# Allegro board 1119394-C028P02-36-DE2-C01_pcb.brd (continued)
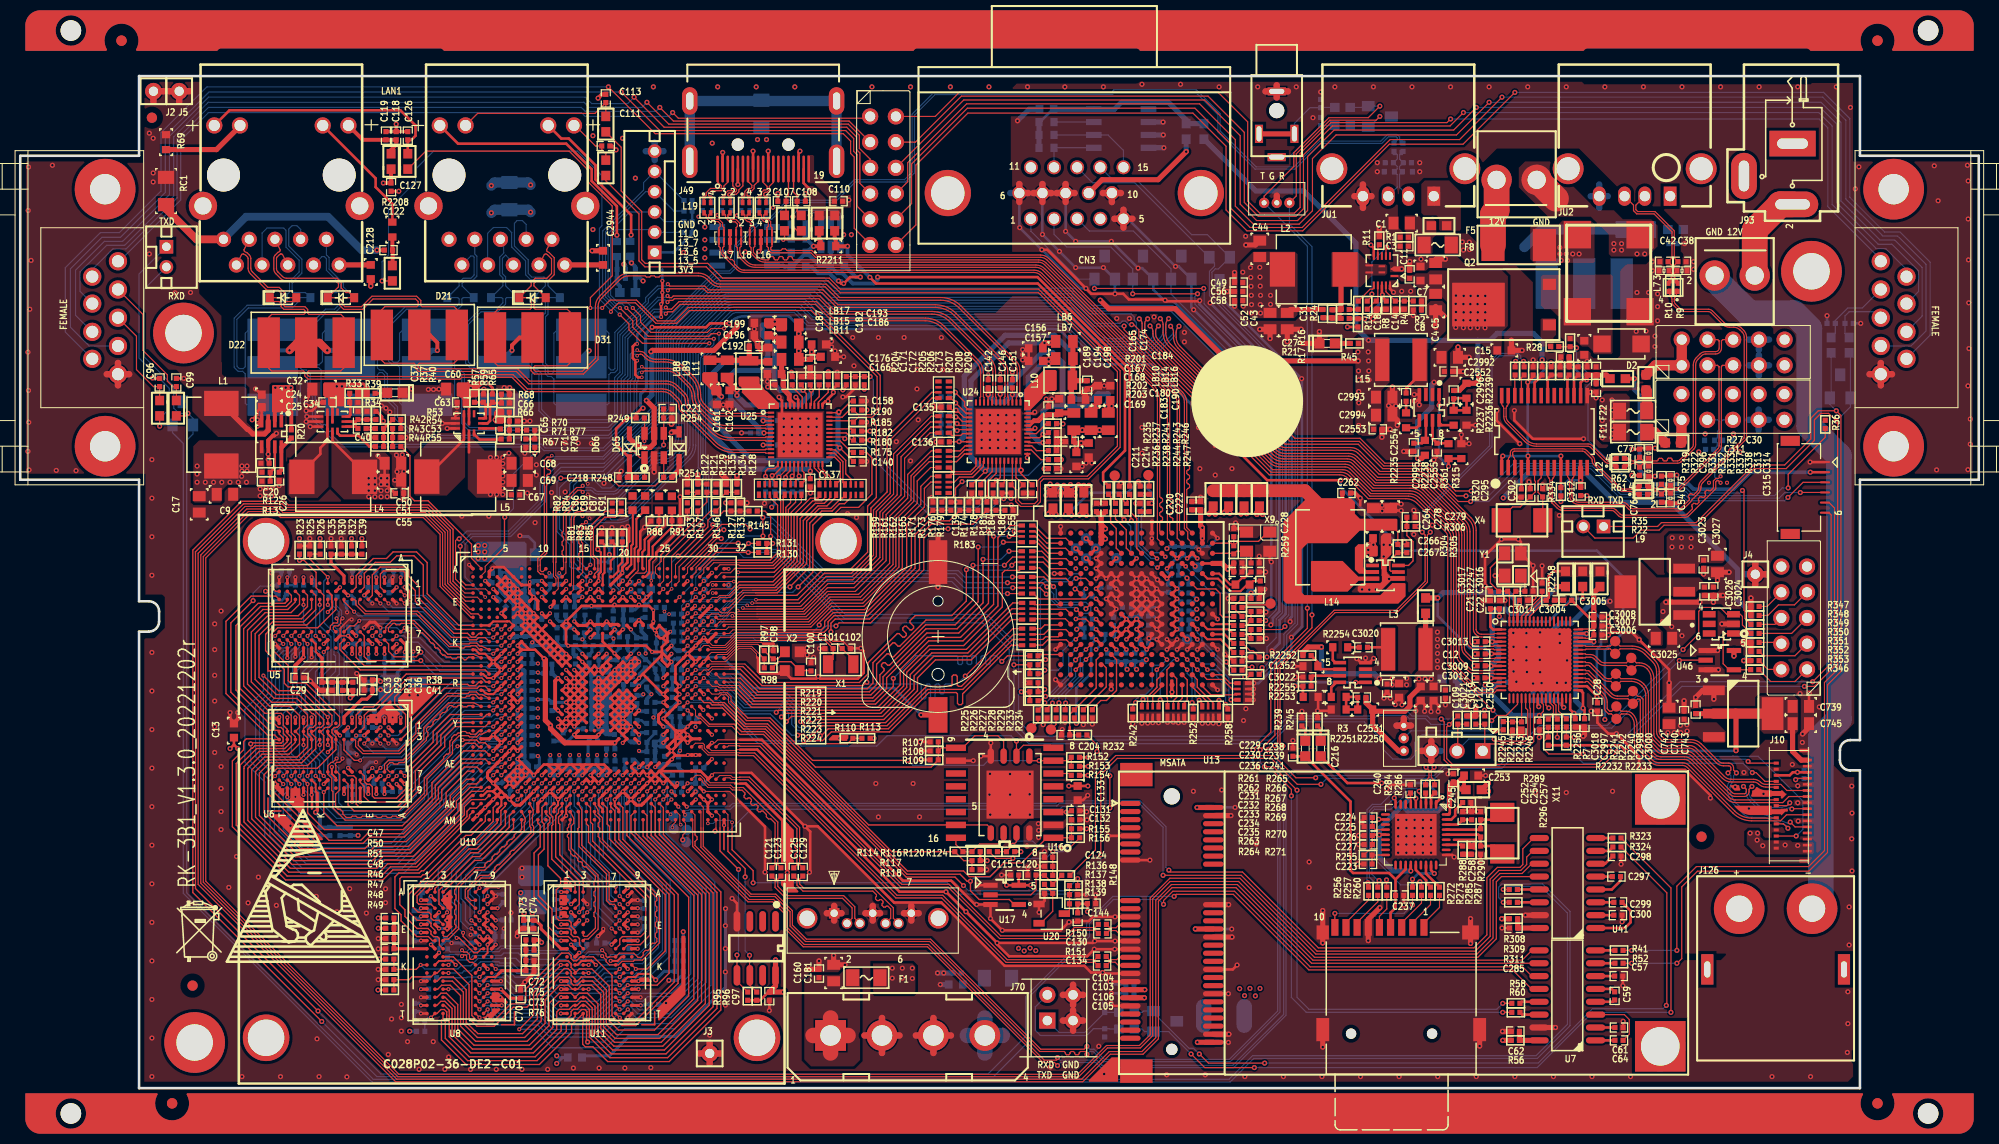
[diagram p0: board, top side]
## Copper pours and planes (outline as drawn; the poured copper is in the pictures) (continued)
GND on TOP (solid shape): 169.42,27.9 172.99,27.9 172.99,27.56 173.9,27.56 173.9,27.6 174.57,27.6 174.57,27.56 174.58,27.51 174.59,27.46 174.58,27.37 174.5,27.33 174.33,27.33 173.99,26.98 173.93,26.97 173.9,27.01 173.9,27.07 172.99,27.07 172.99,26.99 171.02,26.99 170.23,27.15 169.57,27.6 169.31,27.85 169.36,27.91
GND on TOP (solid shape): 36.49,38.3 36.6,38.32 36.66,38.22 36.66,37.87 37.47,37.06 37.5,36.97 37.44,36.9 37.4,36.87 37.36,36.84 37.27,36.75 37.27,36.17 37.24,36.07 36.31,36.07 36.28,36.17 36.28,36.61 36.1,36.9 35.76,36.84 35.67,36.75 35.67,36.17 35.64,36.07 34.29,36.07 34.29,36.71 34.56,36.97 35.17,36.97
GND on TOP (solid shape): 70.96,30.17 71.06,30.16 71.09,30.16 71.77,30.16 76.4,25.52 76.4,24.36 76.28,24.24 76.22,24.14 76.19,24.02 76.19,23.78 76.22,23.66 76.28,23.56 76.4,23.44 76.19,23.24 76.19,22.73 76.4,22.52 76.4,22.23 75.95,22.23 75.95,20.5 76.4,20.5 76.4,19.93 76.83,19.51 76.85,19.4 76.76,19.34 75.87,19.34 75.13,20.07 75.13,20.5 75.59,20.5 75.59,22.23 75.13,22.23 75.13,26.42 71.54,30.02 71.09,30.02 71.06,30.02 70.95,30.01 70.92,29.99 70.55,29.99 70.52,30.01 70.5,30.12 70.6,30.19 70.94,30.19
GND on TOP (solid shape): 171.49,29.75 171.59,29.74 171.98,29.51 172.43,29.44 172.99,29.44 172.99,29.36 173.9,29.36 173.98,29.43 174.07,29.4 174.37,29.1 174.41,29.1 174.46,29.07 174.45,29.02 174.07,28.64 173.96,28.62 173.9,28.71 173.9,28.87 172.99,28.87 172.99,28.79 171.07,28.79 170.98,28.84 170.98,28.94 171.04,29.13 171.07,29.33 171.07,29.4 171.07,29.4 171.29,29.49 171.43,29.69
GND on TOP (solid shape): 42.42,19.59 42.53,19.61 42.59,19.51 42.59,19.07 42.72,18.94 42.72,18.83 42.59,18.7 42.59,18.07 42.72,17.94 42.72,17.83 42.59,17.7 42.59,17.08 42.72,16.95 42.72,16.84 42.59,16.71 42.59,16.08 42.72,15.96 42.23,15.48 42.14,15.45 42.07,15.51 41.96,15.64 41.8,15.71 41.76,15.71 41.76,15.84 41.8,15.85 42.09,16.11 41.92,16.47 41.88,16.52 41.85,16.6 41.9,16.68 42.04,16.8 42.09,16.98 42.09,17 42.17,17.08 42.19,17.08 42.46,17.38 42.19,17.68 42.12,17.71 42.09,17.78 42.05,17.94 41.93,18.06 41.92,18.07 41.76,18.23 41.76,19.04 41.8,19.05 41.94,19.1 42.05,19.21 42.05,19.22
GND on BOTTOM (solid shape): 40.22,40.59 40.22,38.69 39.97,38.44 38.57,38.44 38.31,38.69 38.31,40.59 38.44,40.72 40.09,40.72
GND on BOTTOM (solid shape): 51.71,21.74 51.71,20.22 51.46,19.96 49.47,19.96 49.17,20.26 49.17,21.72 49.45,22 51.46,22
GND on BOTTOM (solid shape): 60.35,39.14 60.35,37.62 60.53,37.44 60.53,37.01 60.43,36.91 60.43,35.94 60.53,35.84 60.53,35.59 60.43,35.48 58.78,35.48 58.42,35.84 58.42,35.97 59.97,35.97 59.97,36.22 59.59,36.22 59.59,35.97 58.95,35.97 58.95,36.22 58.57,36.22 58.57,35.97 58.42,35.97 58.42,36.47 59.97,36.47 59.97,36.73 59.59,36.73 59.59,36.47 58.95,36.47 58.95,36.73 58.57,36.73 58.57,36.47 58.42,36.47 58.42,37.11 58.95,37.64 58.95,39.14 59.21,39.4 60.1,39.4
GND on TOP: 36.2,5.49 36.27,5.31 36.45,5.23 37.72,5.23 37.9,5.31 37.97,5.49 37.97,8.36 37.9,8.54 37.72,8.61 36.45,8.61 36.27,8.54 36.2,8.36
GND on TOP: 81.97,88.27 81.08,88.27 80.95,88.14 80.95,87.25 81.2,87 81.97,87 82.09,87.12 82.09,88.14
GND on BOTTOM: 164.77,83.95 163.5,83.95 163.37,83.82 163.37,82.8 163.5,82.68 164.77,82.68 164.9,82.8 164.9,83.82
GND on GND02: 12.24,0.51 12.24,44.6 12.7,44.6 13.78,45.05 14.22,46.13 14.22,47.09 13.78,48.17 12.7,48.62 12.24,48.62 12.24,60.63 0.51,60.63 0.51,91.62 12.24,91.62 12.24,99.49 181.2,99.49 181.2,91.62 192.94,91.62 192.94,60.63 181.2,60.63 181.2,34.9 180.75,34.9 179.67,34.45 179.22,33.38 179.22,32.41 179.67,31.33 180.75,30.89 181.2,30.89 181.2,0.51
PGND on TOP: 151.05,91.57 148.64,91.57 148.01,90.93 148.01,89.03 150.93,86.11 155.12,86.11 156.9,84.33 156.9,82.42 157.15,82.17 160.71,82.17 161.72,83.19 161.72,85.22 161.09,85.85 158.29,85.85 157.4,86.74 155.75,86.74 151.18,91.31 151.18,91.44
PGND on BOTTOM: 164.52,81.92 161.34,81.92 160.58,82.68 159.82,82.68 158.8,83.69 157.15,83.69 157.02,83.57 157.02,77.09 157.28,76.84 169.09,76.84 169.34,77.09 169.34,82.3 171.88,84.84 171.88,87.88 174.17,90.17 176.58,90.17 177.6,91.19 177.6,94.23 177.22,94.62 170.1,94.62 167.94,92.46 167.94,88.39 166.36,86.8 166.36,83.76
PGND on GND02: 151.18,91.44 148.89,91.44 148.01,90.55 148.01,89.41 155.37,82.04 160.58,82.04 160.83,82.3 160.83,82.55 158.04,85.34 156.01,85.34 151.82,89.54 151.82,90.81
VCC33 on TOP: 177.01,23.09 171.5,23.09 170.54,24.05 170.54,25.27 170.74,25.48 171.65,25.48 171.88,25.25 171.88,24.84 172.24,24.49 174.85,24.49 175.03,24.31 176.91,24.31 176.94,24.33 176.99,24.33 177.14,24.18 177.14,23.22
VCC33 on TOP: 168.12,51.87 166.04,51.87 165.66,51.49 165.66,50.93 165.53,50.8 162.86,50.8 162.61,51.05 162.61,54.46 162.94,54.79 167.82,54.79 168.5,54.1 168.5,52.25
VCC33 on TOP: 166.32,34.11 165.66,34.77 162.51,34.77 162.15,35.13 162.15,36.47 162.41,36.73 164.67,36.73 165.25,36.14 167.56,36.14 168.45,35.26 168.45,34.26 168.3,34.11
VCC33 on TOP: 138.07,41.27 138.07,45.49 138.2,45.62 140.59,45.62 140.87,45.34 140.87,39.9 141.07,39.7 141.07,39.12 141,39.04 138.05,39.04 137.74,39.34 137.74,40.94
VCC33 on BOTTOM: 140.94,39.9 140.94,41.53 140.64,41.83 138.56,41.83 137.85,41.12 137.85,40.08 138.1,39.83 140.87,39.83
VCC33 on PWR03: 175.21,20.47 160.88,34.8 138.63,34.8 137.54,35.89 137.54,47.62 145.14,55.22 168.05,55.22 170.13,53.14 170.13,43 178.66,34.47 178.66,22.58 176.56,20.47
VCC_5V_SATA1 on BOTTOM: 93.29,2.41 92.63,3.07 92.63,11.81 93.01,12.19 95.81,12.19 96.01,11.99 96.01,9.5 97.76,7.75 97.76,4.62 95.55,2.41
VCC_12V_SATA1 on TOP: 82.96,11.71 82.96,2.79 82.32,2.16 78.11,2.16 77.44,2.82 77.44,10.54 78.11,11.2 80.87,11.2 81.48,11.81 82.85,11.81
VDD on TOP: 152.02,50.5 156.67,50.5 156.95,50.22 156.95,49.1 157.02,49.02 157.02,48.64 156.64,48.26 156.64,47.7 157.35,46.99 157.35,46.02 158.17,45.21 159.94,45.21 160.83,44.32 160.83,43.81 160.96,43.69 162.1,43.69 162.23,43.81 162.23,45.09 161.52,45.8 161.52,48.08 162.08,48.64 163.25,48.64 163.37,48.51 165.4,48.51 165.53,48.64 165.53,49.02 165.73,49.23 167.49,49.23 167.56,49.3 167.56,49.76 167.28,50.04 166.27,50.04 165.84,50.47 161.62,50.47 159.94,52.15 152.04,52.15 151.71,51.82 151.71,50.8
(no net) on TOP: 127.56,52.1 130.61,52.1 132.16,50.55 134.21,50.55 134.24,50.52 134.24,50.16 134.21,50.14 132.18,50.14 131.11,49.07 127.64,49.07 127.48,49.23 127.48,52.02
(no net) on TOP: 132.94,51.18 134.19,51.18 134.21,51.16 134.21,50.85 134.19,50.83 132.18,50.83 131.83,51.18 131.83,53.42 132.16,53.75 133.86,53.75 134.09,53.52 134.09,52.63 133.98,52.53 132.89,52.53 132.66,52.3 132.66,51.46
(no net) on TOP: 127.08,58.29 131.42,58.29 131.83,57.89 131.83,56.74 132.31,56.26 135.94,56.26 136.02,56.18 136.02,55.14 135.97,55.09 132.31,55.09 131.06,53.85 127.15,53.85 126.57,53.26 126.57,48.97 126.82,48.72 134.34,48.72 135.51,49.89 136.78,49.89 136.83,49.83 136.83,48.51 136.19,47.88 125.07,47.88 124.76,48.18 124.76,55.98
(no net) on TOP: 74.93,67.13 74.93,67.69 73.02,69.6 73.02,70.18 72.9,70.31 71.07,70.31 70.94,70.18 70.94,69.06 72.9,67.11 74.9,67.11
(no net) on TOP: 12.27,95.08 14.1,95.89 12.27,96.69 12.27,99.26 12.45,99.44 17.68,99.44 17.68,78.51 19.86,76.33 19.86,71.76 19.93,71.69 19.93,70.55 20.24,70.23 29.39,70.23 29.64,69.98 29.64,68.45 30.02,68.07 30.15,68.07 31.42,69.34 32.44,69.34 32.44,68.45 32.82,68.07 33.71,68.07 33.83,67.95 37.13,67.95 37.26,68.07 37.26,69.34 37.39,69.47 41.33,69.47 41.58,69.72 42.6,69.72 42.98,69.34 46.41,69.34 46.53,69.47 48.44,69.47 50.09,67.82 64.69,67.82 64.82,67.69 68,67.69 68.5,68.2 71.17,68.2 71.93,68.96 72.95,68.96 73.2,69.22 73.2,72.64 71.93,73.91 71.93,76.33 72.19,76.58 77.77,76.58 79.43,74.93 82.6,74.93 84.25,76.58 96.32,76.58 97.97,78.23 97.97,90.68 97.84,90.81 97.84,98.68 98.6,99.44 154.23,99.44 154.48,99.19 176.83,99.19 176.96,99.31 181.03,99.31 181.03,91.57 192.84,91.57 192.84,60.71 181.15,60.71 181.15,36.07 179.12,34.04 179.12,31.88 180.26,30.73 181.15,30.73 181.15,3.94 180.9,3.68 180.9,2.54 180.91,2.54 181.04,2.41 181.04,1.16 180.52,0.63 12.24,0.63 12.24,44.32 12.37,44.45 13.26,44.45 14.27,45.47 14.27,48.51 14.02,48.77 12.37,48.77 12.37,60.71 0.56,60.71 0.56,91.57 8.05,91.57 8.18,91.44 12.27,91.44 ; 106 cut-outs
(no net) on TOP: 132.31,48.95 132.11,49.15 132.11,49.5 132.49,49.89 134.26,49.89 134.39,50.01 134.39,54.53 134.67,54.81 135.33,54.81 135.41,54.74 135.41,52.68 135.38,52.68 135.03,52.32 135.03,50.88 135.31,50.6 136.73,50.6 136.78,50.55 136.78,50.16 136.75,50.14 135.38,50.14 134.19,48.95
(no net) on TOP: 99.19,66.98 99.75,66.98 101.65,68.88 102.23,68.88 102.36,69.01 102.36,70.84 102.23,70.97 101.12,70.97 99.16,69.01 99.16,67.01
(no net) on BOTTOM: 12.37,95 14.1,95.89 12.37,96.77 12.37,99.31 17.68,99.31 17.68,79.6 20.12,77.17 20.12,66.04 20.5,65.66 28.63,65.66 28.63,65.53 31.29,62.87 50.72,62.87 51.1,62.48 51.1,61.34 52.25,60.2 51.87,59.82 51.87,57.78 52.76,56.9 60.76,56.9 65.84,61.98 65.84,67.18 70.41,71.76 70.41,78.23 79.68,78.23 81.46,76.45 87.93,76.45 88.06,76.58 103.81,76.58 106.73,73.66 110.03,73.66 110.41,74.04 110.41,76.71 109.65,77.47 105.84,77.47 104.44,78.87 82.22,78.87 81.46,79.63 83.36,79.63 83.74,80.01 83.74,83.06 82.98,83.82 79.93,83.82 79.68,84.07 79.68,86.23 79.81,86.36 80.31,86.36 80.44,86.23 80.44,84.84 80.7,84.58 81.46,84.58 81.97,85.09 81.97,87 81.46,87.5 75.36,87.5 73.08,85.22 73.08,80.39 73.71,79.76 70.03,79.76 69.01,80.77 60.25,80.77 59.74,81.28 59.74,81.79 59.49,82.04 56.18,82.04 56.18,99.44 181.15,99.44 181.15,91.57 192.84,91.57 192.84,66.93 192.71,66.8 183.31,66.8 181.53,65.02 181.53,61.09 181.15,60.71 181.15,35.05 180.01,35.05 178.99,34.04 178.99,32 180.26,30.73 181.03,30.73 181.03,0.63 142.04,0.63 141.91,0.76 141.15,0.76 141.15,0.63 12.24,0.63 12.24,44.58 13.39,44.58 14.27,45.47 14.27,47.75 13.26,48.77 12.37,48.77 12.37,60.71 0.56,60.71 0.56,91.44 12.24,91.44 12.37,91.57 ; 54 cut-outs
GE1_1V05D_PHY on TOP (solid shape): 68.88,70.61 68.88,69.6 69.27,69.22 69.27,68.58 69.52,68.33 69.39,68.2 69.01,68.2 68.76,68.45 68.38,68.45 68.25,68.58 68.25,68.96 67.36,69.85 67.36,70.61 67.49,70.74 68.76,70.74
GE1_3V3A_PHY on TOP: 74.35,74.8 73.58,74.8 73.46,74.68 73.46,74.04 73.58,73.91 74.22,73.91 74.73,73.41 74.73,73.15 74.85,73.03 75.62,73.03 75.74,73.15 75.74,74.3 75.62,74.42 74.85,74.42 74.6,74.68 74.47,74.68
GE1_3V3D_PHY on TOP (solid shape): 75.74,74.93 75.62,74.8 74.85,74.8 74.73,74.93 74.47,74.93 74.35,75.06 73.71,75.06 73.46,75.31 73.46,75.95 73.58,76.07 75.74,76.07
Net_2 on TOP (solid shape): 13.47,-0.5 13.48,-0.5 13.51,-0.51 13.54,-0.53 13.56,-0.55 13.57,-0.58 13.57,-0.61 13.56,-0.64 13.53,-0.7 13.47,-0.81 13.43,-0.91 13.39,-1.02 13.36,-1.13 13.34,-1.25 13.33,-1.36 13.32,-1.48 13.33,-1.59 13.34,-1.71 13.36,-1.82 13.38,-1.93 13.42,-2.04 13.46,-2.15 13.51,-2.26 13.56,-2.36 13.62,-2.46 13.69,-2.55 13.77,-2.64 13.85,-2.72 13.93,-2.79 14.03,-2.86 14.12,-2.93 14.22,-2.98 14.33,-3.03 14.43,-3.08 14.54,-3.11 14.66,-3.14 14.77,-3.16 14.88,-3.17 15,-3.18 15.12,-3.17 15.23,-3.16 15.34,-3.14 15.46,-3.11 15.57,-3.08 15.67,-3.03 15.78,-2.98 15.88,-2.93 15.97,-2.86 16.07,-2.79 16.15,-2.72 16.23,-2.64 16.31,-2.55 16.38,-2.46 16.44,-2.36 16.49,-2.26 16.54,-2.15 16.58,-2.04 16.62,-1.93 16.64,-1.82 16.66,-1.71 16.67,-1.59 16.68,-1.48 16.67,-1.36 16.66,-1.25 16.63,-1.13 16.61,-1.02 16.57,-0.91 16.53,-0.81 16.47,-0.7 16.44,-0.64 16.43,-0.61 16.43,-0.58 16.44,-0.55 16.46,-0.53 16.49,-0.51 16.52,-0.5 16.53,-0.5 181.91,-0.5 181.93,-0.5 181.96,-0.51 181.98,-0.53 182,-0.55 182.01,-0.58 182.02,-0.61 182.01,-0.64 181.97,-0.7 181.92,-0.81 181.88,-0.91 181.84,-1.02 181.81,-1.13 181.79,-1.25 181.78,-1.36 181.77,-1.48 181.77,-1.59 181.78,-1.71 181.8,-1.82 181.83,-1.93 181.86,-2.04 181.9,-2.15 181.95,-2.26 182.01,-2.36 182.07,-2.46 182.14,-2.55 182.21,-2.64 182.29,-2.72 182.38,-2.79 182.47,-2.86 182.57,-2.93 182.67,-2.98 182.77,-3.03 182.88,-3.08 182.99,-3.11 183.1,-3.14 183.22,-3.16 183.33,-3.17 183.45,-3.18 183.56,-3.17 183.68,-3.16 183.79,-3.14 183.9,-3.11 184.01,-3.08 184.12,-3.03 184.22,-2.98 184.32,-2.93 184.42,-2.86 184.51,-2.79 184.6,-2.72 184.68,-2.64 184.75,-2.55 184.79,-2.5 186.95,-2.5 186.95,-2.61 186.96,-2.72 186.98,-2.83 187.01,-2.93 187.05,-3.04 187.09,-3.14 187.14,-3.23 187.2,-3.33 187.26,-3.42 187.33,-3.5 187.41,-3.58 187.49,-3.65 187.57,-3.72 187.66,-3.78 187.76,-3.83 187.86,-3.88 187.96,-3.92 188.07,-3.95 188.17,-3.98 188.28,-3.99 188.39,-4 188.5,-4 188.61,-3.99 188.72,-3.98 188.83,-3.95 188.93,-3.92 189.03,-3.88 189.13,-3.83 189.23,-3.78 189.32,-3.72 189.41,-3.65 189.49,-3.58 189.56,-3.5 189.63,-3.42 189.7,-3.33 189.75,-3.23 189.8,-3.14 189.85,-3.04 189.88,-2.93 189.91,-2.83 189.93,-2.72 189.94,-2.61 189.95,-2.5 189.94,-2.39 189.93,-2.28 189.91,-2.17 189.88,-2.07 189.85,-1.96 189.8,-1.86 189.75,-1.77 189.7,-1.67 189.63,-1.58 189.56,-1.5 189.49,-1.42 189.41,-1.35 189.32,-1.28 189.23,-1.22 189.13,-1.17 189.03,-1.12 188.93,-1.08 188.83,-1.05 188.72,-1.02 188.61,-1.01 188.5,-1 188.39,-1 188.28,-1.01 188.17,-1.02 188.07,-1.05 187.96,-1.08 187.86,-1.12 187.76,-1.17 187.66,-1.22 187.57,-1.28 187.49,-1.35 187.41,-1.42 187.33,-1.5 187.26,-1.58 187.2,-1.67 187.14,-1.77 187.09,-1.86 187.05,-1.96 187.01,-2.07 186.98,-2.17 186.96,-2.28 186.95,-2.39 186.95,-2.5 184.79,-2.5 184.82,-2.46 184.89,-2.36 184.94,-2.26 184.99,-2.15 185.03,-2.04 185.06,-1.93 185.09,-1.82 185.11,-1.71 185.12,-1.59 185.12,-1.48 185.12,-1.36 185.1,-1.25 185.08,-1.13 185.05,-1.02 185.02,-0.91 184.97,-0.81 184.92,-0.7 184.88,-0.64 184.88,-0.61 184.88,-0.58 184.89,-0.55 184.91,-0.53 184.93,-0.51 184.96,-0.5 184.98,-0.5 192.9,-0.5 192.92,-0.51 192.94,-0.52 192.95,-0.55 192.95,-3 192.95,-3.05 192.94,-3.16 192.92,-3.27 192.9,-3.37 192.87,-3.47 192.83,-3.57 192.79,-3.67 192.74,-3.77 192.68,-3.86 192.61,-3.94 192.54,-4.02 192.47,-4.1 192.39,-4.17 192.3,-4.23 192.21,-4.29 192.12,-4.34 192.02,-4.39 191.92,-4.42 191.82,-4.45 191.71,-4.48 191.61,-4.49 191.5,-4.5 191.45,-4.5 2,-4.5 1.95,-4.5 1.84,-4.49 1.73,-4.48 1.63,-4.45 1.53,-4.42 1.43,-4.39 1.33,-4.34 1.23,-4.29 1.14,-4.23 1.06,-4.17 0.98,-4.1 0.9,-4.02 0.83,-3.94 0.77,-3.86 0.71,-3.77 0.66,-3.67 0.61,-3.57 0.58,-3.47 0.55,-3.37 0.52,-3.27 0.51,-3.16 0.5,-3.05 0.5,-3 0.5,-2.5 3.5,-2.5 3.5,-2.61 3.52,-2.72 3.54,-2.83 3.56,-2.93 3.6,-3.04 3.64,-3.14 3.69,-3.23 3.75,-3.33 3.81,-3.42 3.88,-3.5 3.96,-3.58 4.04,-3.65 4.13,-3.72 4.22,-3.78 4.31,-3.83 4.41,-3.88 4.52,-3.92 4.62,-3.95 4.73,-3.98 4.84,-3.99 4.95,-4 5.05,-4 5.16,-3.99 5.27,-3.98 5.38,-3.95 5.48,-3.92 5.59,-3.88 5.69,-3.83 5.78,-3.78 5.87,-3.72 5.96,-3.65 6.04,-3.58 6.12,-3.5 6.19,-3.42 6.25,-3.33 6.31,-3.23 6.36,-3.14 6.4,-3.04 6.44,-2.93 6.46,-2.83 6.48,-2.72 6.5,-2.61 6.5,-2.5 6.5,-2.39 6.48,-2.28 6.46,-2.17 6.44,-2.07 6.4,-1.96 6.36,-1.86 6.31,-1.77 6.25,-1.67 6.19,-1.58 6.12,-1.5 6.04,-1.42 5.96,-1.35 5.87,-1.28 5.78,-1.22 5.69,-1.17 5.59,-1.12 5.48,-1.08 5.38,-1.05 5.27,-1.02 5.16,-1.01 5.05,-1 4.95,-1 4.84,-1.01 4.73,-1.02 4.62,-1.05 4.52,-1.08 4.41,-1.12 4.31,-1.17 4.22,-1.22 4.13,-1.28 4.04,-1.35 3.96,-1.42 3.88,-1.5 3.81,-1.58 3.75,-1.67 3.69,-1.77 3.64,-1.86 3.6,-1.96 3.56,-2.07 3.54,-2.17 3.52,-2.28 3.5,-2.39 3.5,-2.5 0.5,-2.5 0.5,-0.55 0.51,-0.52 0.52,-0.51 0.55,-0.5
Net_3 on BOTTOM (solid shape): 13.47,-0.5 13.48,-0.5 13.51,-0.51 13.54,-0.53 13.56,-0.55 13.57,-0.58 13.57,-0.61 13.56,-0.64 13.53,-0.7 13.47,-0.81 13.43,-0.91 13.39,-1.02 13.36,-1.13 13.34,-1.25 13.33,-1.36 13.32,-1.48 13.33,-1.59 13.34,-1.71 13.36,-1.82 13.38,-1.93 13.42,-2.04 13.46,-2.15 13.51,-2.26 13.56,-2.36 13.62,-2.46 13.69,-2.55 13.77,-2.64 13.85,-2.72 13.93,-2.79 14.03,-2.86 14.12,-2.93 14.22,-2.98 14.33,-3.03 14.43,-3.08 14.54,-3.11 14.66,-3.14 14.77,-3.16 14.88,-3.17 15,-3.18 15.12,-3.17 15.23,-3.16 15.34,-3.14 15.46,-3.11 15.57,-3.08 15.67,-3.03 15.78,-2.98 15.88,-2.93 15.97,-2.86 16.07,-2.79 16.15,-2.72 16.23,-2.64 16.31,-2.55 16.38,-2.46 16.44,-2.36 16.49,-2.26 16.54,-2.15 16.58,-2.04 16.62,-1.93 16.64,-1.82 16.66,-1.71 16.67,-1.59 16.68,-1.48 16.67,-1.36 16.66,-1.25 16.63,-1.13 16.61,-1.02 16.57,-0.91 16.53,-0.81 16.47,-0.7 16.44,-0.64 16.43,-0.61 16.43,-0.58 16.44,-0.55 16.46,-0.53 16.49,-0.51 16.52,-0.5 16.53,-0.5 181.91,-0.5 181.93,-0.5 181.96,-0.51 181.98,-0.53 182,-0.55 182.01,-0.58 182.02,-0.61 182.01,-0.64 181.97,-0.7 181.92,-0.81 181.88,-0.91 181.84,-1.02 181.81,-1.13 181.79,-1.25 181.78,-1.36 181.77,-1.48 181.77,-1.59 181.78,-1.71 181.8,-1.82 181.83,-1.93 181.86,-2.04 181.9,-2.15 181.95,-2.26 182.01,-2.36 182.07,-2.46 182.14,-2.55 182.21,-2.64 182.29,-2.72 182.38,-2.79 182.47,-2.86 182.57,-2.93 182.67,-2.98 182.77,-3.03 182.88,-3.08 182.99,-3.11 183.1,-3.14 183.22,-3.16 183.33,-3.17 183.45,-3.18 183.56,-3.17 183.68,-3.16 183.79,-3.14 183.9,-3.11 184.01,-3.08 184.12,-3.03 184.22,-2.98 184.32,-2.93 184.42,-2.86 184.51,-2.79 184.6,-2.72 184.68,-2.64 184.75,-2.55 184.79,-2.5 186.95,-2.5 186.95,-2.61 186.96,-2.72 186.98,-2.83 187.01,-2.93 187.05,-3.04 187.09,-3.14 187.14,-3.23 187.2,-3.33 187.26,-3.42 187.33,-3.5 187.41,-3.58 187.49,-3.65 187.57,-3.72 187.66,-3.78 187.76,-3.83 187.86,-3.88 187.96,-3.92 188.07,-3.95 188.17,-3.98 188.28,-3.99 188.39,-4 188.5,-4 188.61,-3.99 188.72,-3.98 188.83,-3.95 188.93,-3.92 189.03,-3.88 189.13,-3.83 189.23,-3.78 189.32,-3.72 189.41,-3.65 189.49,-3.58 189.56,-3.5 189.63,-3.42 189.7,-3.33 189.75,-3.23 189.8,-3.14 189.85,-3.04 189.88,-2.93 189.91,-2.83 189.93,-2.72 189.94,-2.61 189.95,-2.5 189.94,-2.39 189.93,-2.28 189.91,-2.17 189.88,-2.07 189.85,-1.96 189.8,-1.86 189.75,-1.77 189.7,-1.67 189.63,-1.58 189.56,-1.5 189.49,-1.42 189.41,-1.35 189.32,-1.28 189.23,-1.22 189.13,-1.17 189.03,-1.12 188.93,-1.08 188.83,-1.05 188.72,-1.02 188.61,-1.01 188.5,-1 188.39,-1 188.28,-1.01 188.17,-1.02 188.07,-1.05 187.96,-1.08 187.86,-1.12 187.76,-1.17 187.66,-1.22 187.57,-1.28 187.49,-1.35 187.41,-1.42 187.33,-1.5 187.26,-1.58 187.2,-1.67 187.14,-1.77 187.09,-1.86 187.05,-1.96 187.01,-2.07 186.98,-2.17 186.96,-2.28 186.95,-2.39 186.95,-2.5 184.79,-2.5 184.82,-2.46 184.89,-2.36 184.94,-2.26 184.99,-2.15 185.03,-2.04 185.06,-1.93 185.09,-1.82 185.11,-1.71 185.12,-1.59 185.12,-1.48 185.12,-1.36 185.1,-1.25 185.08,-1.13 185.05,-1.02 185.02,-0.91 184.97,-0.81 184.92,-0.7 184.88,-0.64 184.88,-0.61 184.88,-0.58 184.89,-0.55 184.91,-0.53 184.93,-0.51 184.96,-0.5 184.98,-0.5 192.9,-0.5 192.92,-0.51 192.94,-0.52 192.95,-0.55 192.95,-3 192.95,-3.05 192.94,-3.16 192.92,-3.27 192.9,-3.37 192.87,-3.47 192.83,-3.57 192.79,-3.67 192.74,-3.77 192.68,-3.86 192.61,-3.94 192.54,-4.02 192.47,-4.1 192.39,-4.17 192.3,-4.23 192.21,-4.29 192.12,-4.34 192.02,-4.39 191.92,-4.42 191.82,-4.45 191.71,-4.48 191.61,-4.49 191.5,-4.5 191.45,-4.5 2,-4.5 1.95,-4.5 1.84,-4.49 1.73,-4.48 1.63,-4.45 1.53,-4.42 1.43,-4.39 1.33,-4.34 1.23,-4.29 1.14,-4.23 1.06,-4.17 0.98,-4.1 0.9,-4.02 0.83,-3.94 0.77,-3.86 0.71,-3.77 0.66,-3.67 0.61,-3.57 0.58,-3.47 0.55,-3.37 0.52,-3.27 0.51,-3.16 0.5,-3.05 0.5,-3 0.5,-2.5 3.5,-2.5 3.5,-2.61 3.52,-2.72 3.54,-2.83 3.56,-2.93 3.6,-3.04 3.64,-3.14 3.69,-3.23 3.75,-3.33 3.81,-3.42 3.88,-3.5 3.96,-3.58 4.04,-3.65 4.13,-3.72 4.22,-3.78 4.31,-3.83 4.41,-3.88 4.52,-3.92 4.62,-3.95 4.73,-3.98 4.84,-3.99 4.95,-4 5.05,-4 5.16,-3.99 5.27,-3.98 5.38,-3.95 5.48,-3.92 5.59,-3.88 5.69,-3.83 5.78,-3.78 5.87,-3.72 5.96,-3.65 6.04,-3.58 6.12,-3.5 6.19,-3.42 6.25,-3.33 6.31,-3.23 6.36,-3.14 6.4,-3.04 6.44,-2.93 6.46,-2.83 6.48,-2.72 6.5,-2.61 6.5,-2.5 6.5,-2.39 6.48,-2.28 6.46,-2.17 6.44,-2.07 6.4,-1.96 6.36,-1.86 6.31,-1.77 6.25,-1.67 6.19,-1.58 6.12,-1.5 6.04,-1.42 5.96,-1.35 5.87,-1.28 5.78,-1.22 5.69,-1.17 5.59,-1.12 5.48,-1.08 5.38,-1.05 5.27,-1.02 5.16,-1.01 5.05,-1 4.95,-1 4.84,-1.01 4.73,-1.02 4.62,-1.05 4.52,-1.08 4.41,-1.12 4.31,-1.17 4.22,-1.22 4.13,-1.28 4.04,-1.35 3.96,-1.42 3.88,-1.5 3.81,-1.58 3.75,-1.67 3.69,-1.77 3.64,-1.86 3.6,-1.96 3.56,-2.07 3.54,-2.17 3.52,-2.28 3.5,-2.39 3.5,-2.5 0.5,-2.5 0.5,-0.55 0.51,-0.52 0.52,-0.51 0.55,-0.5
Net_4 on TOP (solid shape): 191.45,106.5 191.5,106.5 191.61,106.49 191.71,106.48 191.82,106.45 191.92,106.42 192.02,106.39 192.12,106.34 192.21,106.29 192.3,106.23 192.39,106.17 192.47,106.1 192.54,106.02 192.61,105.94 192.68,105.86 192.74,105.77 192.79,105.67 192.83,105.57 192.87,105.47 192.9,105.37 192.92,105.27 192.94,105.16 192.95,105.05 192.95,105 192.95,102.55 192.94,102.52 192.92,102.51 192.9,102.5 184.98,102.5 184.96,102.5 184.93,102.51 184.91,102.53 184.89,102.55 184.88,102.58 184.88,102.61 184.88,102.64 184.92,102.7 184.97,102.81 185.02,102.91 185.05,103.02 185.08,103.13 185.1,103.25 185.12,103.36 185.12,103.48 185.12,103.59 185.11,103.71 185.09,103.82 185.06,103.93 185.03,104.04 184.99,104.15 184.94,104.26 184.89,104.36 184.82,104.45 184.79,104.5 186.95,104.5 186.95,104.39 186.96,104.28 186.98,104.17 187.01,104.07 187.04,103.96 187.09,103.86 187.14,103.77 187.19,103.67 187.26,103.58 187.33,103.5 187.4,103.42 187.49,103.35 187.57,103.28 187.66,103.22 187.76,103.17 187.86,103.12 187.96,103.08 188.07,103.05 188.17,103.02 188.28,103.01 188.39,103 188.5,103 188.61,103.01 188.72,103.02 188.83,103.05 188.93,103.08 189.03,103.12 189.13,103.17 189.23,103.22 189.32,103.28 189.41,103.35 189.49,103.42 189.56,103.5 189.63,103.58 189.7,103.67 189.76,103.77 189.81,103.86 189.85,103.96 189.88,104.07 189.91,104.17 189.93,104.28 189.94,104.39 189.95,104.5 189.94,104.61 189.93,104.72 189.91,104.83 189.88,104.93 189.85,105.04 189.81,105.14 189.76,105.23 189.7,105.33 189.63,105.42 189.56,105.5 189.49,105.58 189.41,105.65 189.32,105.72 189.23,105.78 189.13,105.83 189.03,105.88 188.93,105.92 188.83,105.95 188.72,105.98 188.61,105.99 188.5,106 188.39,106 188.28,105.99 188.17,105.98 188.07,105.95 187.96,105.92 187.86,105.88 187.76,105.83 187.66,105.78 187.57,105.72 187.49,105.65 187.4,105.58 187.33,105.5 187.26,105.42 187.19,105.33 187.14,105.23 187.09,105.14 187.04,105.04 187.01,104.93 186.98,104.83 186.96,104.72 186.95,104.61 186.95,104.5 184.79,104.5 184.75,104.55 184.68,104.63 184.6,104.72 184.51,104.79 184.42,104.86 184.32,104.93 184.22,104.98 184.12,105.03 184.01,105.08 183.9,105.11 183.79,105.14 183.68,105.16 183.56,105.17 183.45,105.18 183.33,105.17 183.22,105.16 183.1,105.14 182.99,105.11 182.88,105.08 182.77,105.03 182.67,104.98 182.57,104.93 182.47,104.86 182.38,104.79 182.29,104.72 182.21,104.63 182.14,104.55 182.07,104.45 182.01,104.36 181.95,104.26 181.9,104.15 181.86,104.04 181.83,103.93 181.8,103.82 181.78,103.71 181.77,103.59 181.77,103.48 181.78,103.36 181.79,103.25 181.81,103.13 181.84,103.02 181.88,102.91 181.92,102.81 181.97,102.7 182.01,102.64 182.02,102.61 182.01,102.58 182,102.55 181.98,102.53 181.96,102.51 181.93,102.5 181.91,102.5 176.8,102.5 176.79,102.53 176.75,102.58 176.71,102.62 176.66,102.66 176.61,102.69 176.55,102.71 176.49,102.73 176.43,102.73 176.4,102.74 154.83,102.74 154.8,102.73 154.74,102.73 154.68,102.71 154.63,102.69 154.57,102.66 154.53,102.62 154.48,102.57 154.45,102.53 154.43,102.5 110.6,102.5 110.58,102.53 110.55,102.58 110.51,102.62 110.46,102.66 110.41,102.69 110.35,102.71 110.29,102.73 110.23,102.73 110.2,102.74 88.63,102.74 88.6,102.73 88.54,102.73 88.48,102.71 88.43,102.69 88.37,102.66 88.33,102.62 88.28,102.57 88.25,102.53 88.23,102.5 41.84,102.5 41.82,102.53 41.78,102.58 41.74,102.62 41.69,102.66 41.64,102.69 41.59,102.71 41.53,102.73 41.47,102.73 41.44,102.74 19.87,102.74 19.84,102.73 19.78,102.73 19.72,102.71 19.66,102.69 19.61,102.66 19.56,102.62 19.52,102.57 19.48,102.53 19.47,102.5 11.53,102.5 11.52,102.5 11.49,102.51 11.46,102.53 11.44,102.55 11.43,102.58 11.43,102.61 11.44,102.64 11.47,102.7 11.53,102.81 11.57,102.91 11.61,103.02 11.64,103.13 11.66,103.25 11.67,103.36 11.68,103.48 11.67,103.59 11.66,103.71 11.64,103.82 11.62,103.93 11.58,104.04 11.54,104.15 11.49,104.26 11.44,104.36 11.38,104.45 11.31,104.55 11.23,104.63 11.15,104.72 11.07,104.79 10.97,104.86 10.88,104.93 10.78,104.98 10.67,105.03 10.57,105.08 10.46,105.11 10.34,105.14 10.23,105.16 10.12,105.17 10,105.18 9.88,105.17 9.77,105.16 9.66,105.14 9.54,105.11 9.43,105.08 9.33,105.03 9.22,104.98 9.12,104.93 9.03,104.86 8.93,104.79 8.85,104.72 8.77,104.63 8.69,104.55 8.62,104.45 8.56,104.36 8.51,104.26 8.46,104.15 8.42,104.04 8.38,103.93 8.36,103.82 8.34,103.71 8.33,103.59 8.32,103.48 8.33,103.36 8.34,103.25 8.36,103.13 8.39,103.02 8.43,102.91 8.47,102.81 8.53,102.7 8.56,102.64 8.57,102.61 8.57,102.58 8.56,102.55 8.54,102.53 8.51,102.51 8.48,102.5 8.47,102.5 0.55,102.5 0.52,102.51 0.51,102.52 0.5,102.55 0.5,104.5 3.5,104.5 3.5,104.39 3.52,104.28 3.54,104.17 3.56,104.07 3.6,103.96 3.64,103.86 3.69,103.77 3.75,103.67 3.81,103.58 3.88,103.5 3.96,103.42 4.04,103.35 4.13,103.28 4.22,103.22 4.31,103.17 4.41,103.12 4.52,103.08 4.62,103.05 4.73,103.02 4.84,103.01 4.95,103 5.05,103 5.16,103.01 5.27,103.02 5.38,103.05 5.48,103.08 5.59,103.12 5.69,103.17 5.78,103.22 5.87,103.28 5.96,103.35 6.04,103.42 6.12,103.5 6.19,103.58 6.25,103.67 6.31,103.77 6.36,103.86 6.4,103.96 6.44,104.07 6.46,104.17 6.48,104.28 6.5,104.39 6.5,104.5 6.5,104.61 6.48,104.72 6.46,104.83 6.44,104.93 6.4,105.04 6.36,105.14 6.31,105.23 6.25,105.33 6.19,105.42 6.12,105.5 6.04,105.58 5.96,105.65 5.87,105.72 5.78,105.78 5.69,105.83 5.59,105.88 5.48,105.92 5.38,105.95 5.27,105.98 5.16,105.99 5.05,106 4.95,106 4.84,105.99 4.73,105.98 4.62,105.95 4.52,105.92 4.41,105.88 4.31,105.83 4.22,105.78 4.13,105.72 4.04,105.65 3.96,105.58 3.88,105.5 3.81,105.42 3.75,105.33 3.69,105.23 3.64,105.14 3.6,105.04 3.56,104.93 3.54,104.83 3.52,104.72 3.5,104.61 3.5,104.5 0.5,104.5 0.5,105 0.5,105.05 0.51,105.16 0.52,105.27 0.55,105.37 0.58,105.47 0.61,105.57 0.66,105.67 0.71,105.77 0.77,105.86 0.83,105.94 0.9,106.02 0.98,106.1 1.06,106.17 1.14,106.23 1.23,106.29 1.33,106.34 1.43,106.39 1.53,106.42 1.63,106.45 1.73,106.48 1.84,106.49 1.95,106.5 2,106.5
Net_5 on BOTTOM (solid shape): 191.45,106.5 191.5,106.5 191.61,106.49 191.71,106.48 191.82,106.45 191.92,106.42 192.02,106.39 192.12,106.34 192.21,106.29 192.3,106.23 192.39,106.17 192.47,106.1 192.54,106.02 192.61,105.94 192.68,105.86 192.74,105.77 192.79,105.67 192.83,105.57 192.87,105.47 192.9,105.37 192.92,105.27 192.94,105.16 192.95,105.05 192.95,105 192.95,102.55 192.94,102.52 192.92,102.51 192.9,102.5 184.98,102.5 184.96,102.5 184.93,102.51 184.91,102.53 184.89,102.55 184.88,102.58 184.88,102.61 184.88,102.64 184.92,102.7 184.97,102.81 185.02,102.91 185.05,103.02 185.08,103.13 185.1,103.25 185.12,103.36 185.12,103.48 185.12,103.59 185.11,103.71 185.09,103.82 185.06,103.93 185.03,104.04 184.99,104.15 184.94,104.26 184.89,104.36 184.82,104.45 184.79,104.5 186.95,104.5 186.95,104.39 186.96,104.28 186.98,104.17 187.01,104.07 187.04,103.96 187.09,103.86 187.14,103.77 187.19,103.67 187.26,103.58 187.33,103.5 187.4,103.42 187.49,103.35 187.57,103.28 187.66,103.22 187.76,103.17 187.86,103.12 187.96,103.08 188.07,103.05 188.17,103.02 188.28,103.01 188.39,103 188.5,103 188.61,103.01 188.72,103.02 188.83,103.05 188.93,103.08 189.03,103.12 189.13,103.17 189.23,103.22 189.32,103.28 189.41,103.35 189.49,103.42 189.56,103.5 189.63,103.58 189.7,103.67 189.76,103.77 189.81,103.86 189.85,103.96 189.88,104.07 189.91,104.17 189.93,104.28 189.94,104.39 189.95,104.5 189.94,104.61 189.93,104.72 189.91,104.83 189.88,104.93 189.85,105.04 189.81,105.14 189.76,105.23 189.7,105.33 189.63,105.42 189.56,105.5 189.49,105.58 189.41,105.65 189.32,105.72 189.23,105.78 189.13,105.83 189.03,105.88 188.93,105.92 188.83,105.95 188.72,105.98 188.61,105.99 188.5,106 188.39,106 188.28,105.99 188.17,105.98 188.07,105.95 187.96,105.92 187.86,105.88 187.76,105.83 187.66,105.78 187.57,105.72 187.49,105.65 187.4,105.58 187.33,105.5 187.26,105.42 187.19,105.33 187.14,105.23 187.09,105.14 187.04,105.04 187.01,104.93 186.98,104.83 186.96,104.72 186.95,104.61 186.95,104.5 184.79,104.5 184.75,104.55 184.68,104.63 184.6,104.72 184.51,104.79 184.42,104.86 184.32,104.93 184.22,104.98 184.12,105.03 184.01,105.08 183.9,105.11 183.79,105.14 183.68,105.16 183.56,105.17 183.45,105.18 183.33,105.17 183.22,105.16 183.1,105.14 182.99,105.11 182.88,105.08 182.77,105.03 182.67,104.98 182.57,104.93 182.47,104.86 182.38,104.79 182.29,104.72 182.21,104.63 182.14,104.55 182.07,104.45 182.01,104.36 181.95,104.26 181.9,104.15 181.86,104.04 181.83,103.93 181.8,103.82 181.78,103.71 181.77,103.59 181.77,103.48 181.78,103.36 181.79,103.25 181.81,103.13 181.84,103.02 181.88,102.91 181.92,102.81 181.97,102.7 182.01,102.64 182.02,102.61 182.01,102.58 182,102.55 181.98,102.53 181.96,102.51 181.93,102.5 181.91,102.5 176.8,102.5 176.79,102.53 176.75,102.58 176.71,102.62 176.66,102.66 176.61,102.69 176.55,102.71 176.49,102.73 176.43,102.73 176.4,102.74 154.83,102.74 154.8,102.73 154.74,102.73 154.68,102.71 154.63,102.69 154.57,102.66 154.53,102.62 154.48,102.57 154.45,102.53 154.43,102.5 110.6,102.5 110.58,102.53 110.55,102.58 110.51,102.62 110.46,102.66 110.41,102.69 110.35,102.71 110.29,102.73 110.23,102.73 110.2,102.74 88.63,102.74 88.6,102.73 88.54,102.73 88.48,102.71 88.43,102.69 88.37,102.66 88.33,102.62 88.28,102.57 88.25,102.53 88.23,102.5 41.84,102.5 41.82,102.53 41.78,102.58 41.74,102.62 41.69,102.66 41.64,102.69 41.59,102.71 41.53,102.73 41.47,102.73 41.44,102.74 19.87,102.74 19.84,102.73 19.78,102.73 19.72,102.71 19.66,102.69 19.61,102.66 19.56,102.62 19.52,102.57 19.48,102.53 19.47,102.5 11.53,102.5 11.52,102.5 11.49,102.51 11.46,102.53 11.44,102.55 11.43,102.58 11.43,102.61 11.44,102.64 11.47,102.7 11.53,102.81 11.57,102.91 11.61,103.02 11.64,103.13 11.66,103.25 11.67,103.36 11.68,103.48 11.67,103.59 11.66,103.71 11.64,103.82 11.62,103.93 11.58,104.04 11.54,104.15 11.49,104.26 11.44,104.36 11.38,104.45 11.31,104.55 11.23,104.63 11.15,104.72 11.07,104.79 10.97,104.86 10.88,104.93 10.78,104.98 10.67,105.03 10.57,105.08 10.46,105.11 10.34,105.14 10.23,105.16 10.12,105.17 10,105.18 9.88,105.17 9.77,105.16 9.66,105.14 9.54,105.11 9.43,105.08 9.33,105.03 9.22,104.98 9.12,104.93 9.03,104.86 8.93,104.79 8.85,104.72 8.77,104.63 8.69,104.55 8.62,104.45 8.56,104.36 8.51,104.26 8.46,104.15 8.42,104.04 8.38,103.93 8.36,103.82 8.34,103.71 8.33,103.59 8.32,103.48 8.33,103.36 8.34,103.25 8.36,103.13 8.39,103.02 8.43,102.91 8.47,102.81 8.53,102.7 8.56,102.64 8.57,102.61 8.57,102.58 8.56,102.55 8.54,102.53 8.51,102.51 8.48,102.5 8.47,102.5 0.55,102.5 0.52,102.51 0.51,102.52 0.5,102.55 0.5,104.5 3.5,104.5 3.5,104.39 3.52,104.28 3.54,104.17 3.56,104.07 3.6,103.96 3.64,103.86 3.69,103.77 3.75,103.67 3.81,103.58 3.88,103.5 3.96,103.42 4.04,103.35 4.13,103.28 4.22,103.22 4.31,103.17 4.41,103.12 4.52,103.08 4.62,103.05 4.73,103.02 4.84,103.01 4.95,103 5.05,103 5.16,103.01 5.27,103.02 5.38,103.05 5.48,103.08 5.59,103.12 5.69,103.17 5.78,103.22 5.87,103.28 5.96,103.35 6.04,103.42 6.12,103.5 6.19,103.58 6.25,103.67 6.31,103.77 6.36,103.86 6.4,103.96 6.44,104.07 6.46,104.17 6.48,104.28 6.5,104.39 6.5,104.5 6.5,104.61 6.48,104.72 6.46,104.83 6.44,104.93 6.4,105.04 6.36,105.14 6.31,105.23 6.25,105.33 6.19,105.42 6.12,105.5 6.04,105.58 5.96,105.65 5.87,105.72 5.78,105.78 5.69,105.83 5.59,105.88 5.48,105.92 5.38,105.95 5.27,105.98 5.16,105.99 5.05,106 4.95,106 4.84,105.99 4.73,105.98 4.62,105.95 4.52,105.92 4.41,105.88 4.31,105.83 4.22,105.78 4.13,105.72 4.04,105.65 3.96,105.58 3.88,105.5 3.81,105.42 3.75,105.33 3.69,105.23 3.64,105.14 3.6,105.04 3.56,104.93 3.54,104.83 3.52,104.72 3.5,104.61 3.5,104.5 0.5,104.5 0.5,105 0.5,105.05 0.51,105.16 0.52,105.27 0.55,105.37 0.58,105.47 0.61,105.57 0.66,105.67 0.71,105.77 0.77,105.86 0.83,105.94 0.9,106.02 0.98,106.1 1.06,106.17 1.14,106.23 1.23,106.29 1.33,106.34 1.43,106.39 1.53,106.42 1.63,106.45 1.73,106.48 1.84,106.49 1.95,106.5 2,106.5
VAVDD_1.8VA on PWR03: 120.42,56.97 120.42,54.2 117.86,51.64 114.71,51.64 114.45,51.38 114.45,50.21 113.79,49.55 113.23,49.55 113,49.33 113,44.19 113.26,43.94 114.76,43.94 115.14,44.32 115.14,49.25 116.48,50.6 118.01,50.6 121.41,54.25 121.41,56.97
VCVDD_1.8VA on PWR03: 119.79,57.17 118.9,57.17 118.54,56.82 118.54,53.69 117.37,52.53 112.78,52.53 112.37,52.12 112.37,50.32 112.72,49.96 113.79,49.96 114.22,50.39 114.22,51.76 114.38,51.92 117.75,51.92 119.84,54 119.84,57.12
VDVDD_1.8VA on PWR03: 118.34,57.05 117.53,57.05 117.22,56.74 117.22,54.28 116.86,53.92 116.64,53.92 116.46,54.1 115.49,54.1 115.31,53.92 108.53,53.92 107.67,53.06 107.67,44.17 107.85,43.99 110.97,43.99 112.22,45.24 112.22,52.2 112.78,52.75 117.22,52.75 118.34,53.87
VDVDDIO_3.3VA on PWR03: 107.31,43.92 105.89,43.92 105.61,44.19 105.61,52.75 103.02,55.35 103.02,57.05 103.2,57.22 103.83,57.22 104.06,57 104.06,55.83 107.24,52.65 107.31,52.65 107.37,52.6 107.37,43.97
VPVDD_1.8VA on PWR03: 122.88,57.07 122.02,57.07 121.69,56.74 121.69,54.1 118.08,50.49 118.08,50.14 118.31,49.91 119.07,49.91 122.94,53.77 122.94,57.02
VSRAM_3.3V on PWR03: 102.67,57.07 102.67,54.35 103.71,53.31 103.71,44.22 103.68,44.19 104.16,43.71 111.96,43.71 111.99,43.74 112.34,43.38 112.34,42.44 111.99,42.09 103.43,42.09 102.11,43.41 102.11,52.91 101.32,53.69 101.32,57.02 101.52,57.22 102.51,57.22
VTVDD_3.3VA on PWR03: 104.52,57.1 104.52,56.08 106.07,54.38 106.47,53.98 107.62,53.98 107.75,54.1 107.75,54.12 108,54.38 116.13,54.36 116.38,54.36 116.64,54.1 116.82,54.1 117.07,54.35 117.07,55.5 107.01,55.5 105.41,57.1
N72707 on TOP: 38.89,62.38 38.89,58.72 39.07,58.55 42.11,58.55 43.94,60.38 43.94,64.74 41.25,64.74
N72727 on TOP: 30.43,64.92 30.43,64.47 30.45,64.44 30.45,59.41 29.36,58.32 26.77,58.32 26.42,58.67 26.42,61.67 29.67,64.92
N78704 on TOP: 134.85,81.43 133.3,81.43 132.11,82.63 129.59,82.63 129.49,82.52 129.49,79.22 129.57,79.15 132.38,79.15 133.53,80.29 134.8,80.29 135.03,80.52 135.03,81.25
N784580 on TOP: 138.1,86.23 136.83,86.23 136.7,86.11 136.7,84.84 136.83,84.71 136.83,82.42 139.37,82.42 139.5,82.55 139.5,83.95 139.88,84.33 139.88,85.6 139.62,85.85 138.48,85.85
N1294165 on TOP (solid shape): 102.36,70.84 102.36,69.01 102.23,68.88 101.65,68.88 101.25,68.48 101.24,68.48 101.05,68.37 100.94,68.18 100.94,68.17 99.82,67.05 99.48,67.05 99.36,67.04 99.26,66.99 99.25,66.98 99.19,66.98 99.16,67.01 99.16,69.01 101.12,70.97 102.23,70.97
N1300447 on TOP (solid shape): 73.02,70.18 73.02,69.6 73.43,69.19 73.43,69.18 73.54,68.99 73.73,68.88 73.74,68.88 74.57,68.05 74.57,68.04 74.86,67.76 74.86,67.11 72.9,67.11 71.25,68.76 71.26,68.79 71.29,69.08 71.15,69.35 70.94,69.55 70.94,70.18 71.07,70.31 72.9,70.31
N17942185 on TOP: 17.22,69.32 22.15,69.32 22.38,69.09 22.38,65.79 23.11,65.05 24.05,65.05 24.28,65.28 24.28,66.52 24.26,66.55 24.31,66.6 24.66,66.6 24.69,66.57 24.69,64.49 24.54,64.34 19.53,64.34 16.99,66.88 16.99,69.09
N17955776 on TOP: 157.15,80.39 150.42,80.39 150.16,80.14 150.16,77.34 150.55,76.96 151.18,76.96 152.2,75.95 152.2,74.17 152.58,73.79 153.72,73.79 154.23,73.28 154.86,73.28 155.37,72.77 155.37,72.64 155.5,72.52 157.15,72.52 157.28,72.64 157.28,80.26
N17955786 on TOP: 152.32,85.73 151.94,85.34 149.4,85.34 149.15,85.09 149.15,81.92 149.53,81.53 155.37,81.53 155.5,81.66 155.5,85.34 155.12,85.73
N17955786 on BOTTOM: 150.42,83.57 149.66,82.8 149.66,76.96 149.91,76.71 152.32,76.71 153.09,77.47 153.09,81.92 153.34,82.17 154.1,82.17 154.23,82.3 154.23,83.31 153.97,83.57
N18174047 on TOP: 150.16,73.41 150.16,75.95 150.29,76.07 151.56,76.07 151.69,75.95 151.69,74.42 151.43,74.17 151.43,73.03 151.31,72.9 151.18,72.9 151.18,73.28 150.29,73.28
N18220213 on TOP (solid shape): 132.16,50.55 134.21,50.55 134.24,50.52 134.24,50.16 134.21,50.14 132.18,50.14 131.11,49.07 127.64,49.07 127.48,49.23 127.48,52.02 127.56,52.1 130.61,52.1
N18473890 on TOP: 78.28,92.2 77.77,92.2 77.65,92.08 77.65,89.54 77.77,89.41 78.28,89.41 79.81,87.88 79.81,85.85 79.93,85.73 80.95,85.73 81.08,85.85 81.08,86.87 80.7,87.25 80.7,88.39 78.41,90.68 78.41,92.08
N18596319 on TOP: 138.63,69.11 138.63,67.87 138.66,67.84 139.01,67.84 139.06,67.89 139.06,73.96 138.89,74.14 137.57,74.14 137.46,74.04 137.46,69.7 137.82,69.34 138.4,69.34
N18724659 on TOP: 132.21,41.2 135.79,41.2 135.84,41.25 135.84,45.47 135.79,45.52 134.04,45.52 133.91,45.39 133.91,41.88 133.65,41.63 132.26,41.63 132.18,41.55 132.18,41.22
N18852762 on BOTTOM: 163.12,85.98 160.32,85.98 160.07,85.73 160.07,83.06 160.2,82.93 162.99,82.93 163.12,83.06 163.12,83.95 163.25,84.07 163.25,85.85
N18993375 on TOP: 142.29,88.52 141.12,89.69 138.73,89.69 138.38,89.33 138.38,86.49 138.63,86.23 139.88,86.23 140.13,85.98 140.13,84.84 140.26,84.71 142.16,84.71 142.29,84.84
N18993417 on BOTTOM: 162.48,89.15 162.23,88.9 162.23,87.38 163.75,85.85 163.75,84.33 163.88,84.2 164.9,84.2 165.02,84.33 165.02,87.5 163.37,89.15
N19001477 on TOP: 78.28,89.15 77.52,89.15 77.39,89.03 77.39,88.9 78.03,88.27 78.03,85.98 78.28,85.73 79.3,85.73 79.55,85.98 79.55,87.88
GND on TOP (solid shape): 81.79,34.56 81.58,34.35 79.96,34.35 79.86,34.42 79.88,34.53 80.24,34.89 81.79,34.89
GND on TOP (solid shape): 25.25,30.38 25.26,30.37 25.36,30.2 25.53,30.12 25.58,30.11 25.58,29.64 26.04,29.64 26.06,29.56 26.07,29.52 26.07,28.93 26.01,28.84 25.9,28.86 25.11,29.65 25.11,30.33 25.21,30.43
GND on TOP (solid shape): 47.31,7.87 47.4,7.81 47.38,7.7 46.58,6.9 45.76,6.9 45.69,6.92 45.66,6.99 45.68,7.04 45.72,7.05 45.96,7.11 46.09,7.32 46.1,7.37 46.58,7.37 46.58,7.85 46.69,7.87
GND on TOP (solid shape): 53.68,20.75 53.75,20.85 53.86,20.82 54.49,20.19 54.49,19.47 54.47,19.38 54.34,19.38 54.33,19.42 54.15,19.68 53.84,19.66 53.83,19.66 53.7,19.66 53.61,19.72 53.63,19.83 53.68,19.88
GND on TOP (solid shape): 152.98,45.43 153.08,45.41 153.16,45.38 153.19,45.31 153.21,45.21 153.26,45.12 153.18,44.92 153.26,44.72 153.19,44.52 153.26,44.32 153.19,44.12 153.26,43.92 153.18,43.72 153.26,43.52 153.19,43.32 153.26,43.12 153.18,42.92 153.26,42.72 153.19,42.52 153.26,42.32 153.19,42.12 153.26,41.92 153.18,41.72 153.26,41.52 153.19,41.32 153.26,41.12 153.18,40.92 153.26,40.72 153.19,40.52 153.26,40.32 153.19,40.12 153.26,39.92 153.18,39.72 153.26,39.52 153.21,39.42 153.19,39.32 153.16,39.25 153.08,39.22 152.98,39.2 152.89,39.14 152.69,39.22 152.49,39.14 152.29,39.22 152.09,39.14 151.89,39.22 151.69,39.14 151.49,39.22 151.29,39.14 151.09,39.22 150.89,39.14 150.69,39.22 150.49,39.14 150.29,39.22 150.09,39.14 149.89,39.22 149.69,39.14 149.49,39.22 149.29,39.14 149.09,39.22 148.89,39.14 148.69,39.22 148.49,39.14 148.29,39.22 148.09,39.14 147.89,39.22 147.69,39.14 147.49,39.22 147.29,39.14 147.2,39.2 147.09,39.22 147.02,39.25 146.99,39.32 146.97,39.42 146.92,39.52 146.99,39.72 146.92,39.92 146.99,40.12 146.92,40.32 146.99,40.52 146.92,40.72 146.99,40.92 146.92,41.12 146.99,41.32 146.92,41.52 146.99,41.72 146.92,41.92 146.99,42.12 146.92,42.32 146.99,42.52 146.92,42.72 146.99,42.92 146.92,43.12 146.99,43.32 146.92,43.52 146.99,43.72 146.92,43.92 146.99,44.12 146.92,44.32 146.99,44.52 146.92,44.72 146.99,44.92 146.92,45.12 146.97,45.21 146.99,45.31 147.02,45.38 147.09,45.41 147.2,45.43 147.29,45.49 147.49,45.41 147.69,45.49 147.89,45.41 148.09,45.49 148.29,45.41 148.49,45.49 148.69,45.41 148.89,45.49 149.09,45.41 149.29,45.49 149.49,45.41 149.69,45.49 149.89,45.41 150.09,45.49 150.29,45.41 150.49,45.49 150.69,45.41 150.89,45.49 151.09,45.41 151.29,45.49 151.49,45.41 151.69,45.49 151.89,45.41 152.09,45.49 152.29,45.41 152.49,45.49 152.69,45.41 152.89,45.49

Small or netless copper shapes (teardrops, artwork), in the pictures only: 9 on TOP

## Text on the board
User.Comments: CR_RTL8211E_3536_2 | CR_UNNAMED1_3 | CR_UNNAMED00_1 | CR_ADV7842_1 | HI3536DMEB  VER.A SOLDMASK TOP | HI3536DMEB  VER.A SOLDMASK BOTTOM
Ref Des/Silkscreen Top: TXD | RXD | LAN1 | GND | 11_0 | 13_7 | 13_6 | 13_5 | 3V3 | MSATA | T G R | Y1 | 12V | GND 12V | + | - | C028P02-36-DE2-C01 | RK-3B1_V1.3.0_20221202r
DIMENSION: 13 | 5.00 | L2//L3
DISPLAY_BOTTOM: HI3536DMEB  VER.A PASTEMASK BOTTOM
DISPLAY_TOP: HI3536DMEB  VER.A PASTEMASK TOP
TOLERANCE_TOP: FIGURE | SIZE | 8.0 | 10.0 | 20.0 | 29.0 | 33.46 | 35.43 | 36.0 | 37.0 | 39.37 | 40.0 | 43.31 | 47.24 | 60.0 | 66.93 | 70.87 | 80.0 | 90.0 | 102.36 | 118.11 | 130.0 | 141.73 | 150.0 | 44.0 | 48.0 | 59.06 | 63.0 | 127.95 | 59.06x19.69 | 62.99x23.62 | 67.0x28.0 | 107.0x28.0 | 120.0x40.0 | 135.0x40.0 | DRILL CHART: TOP to BOTTOM | ALL UNITS ARE IN MILS | PLATED | NON-PLATED | QTY | 862 | 1585 | 6 | 7 | 10 | 20 | 4 | 42 | 26 | 8 | 18 | 2 | 1
